# KiCad board rp2040_base.kicad_pcb (continued)
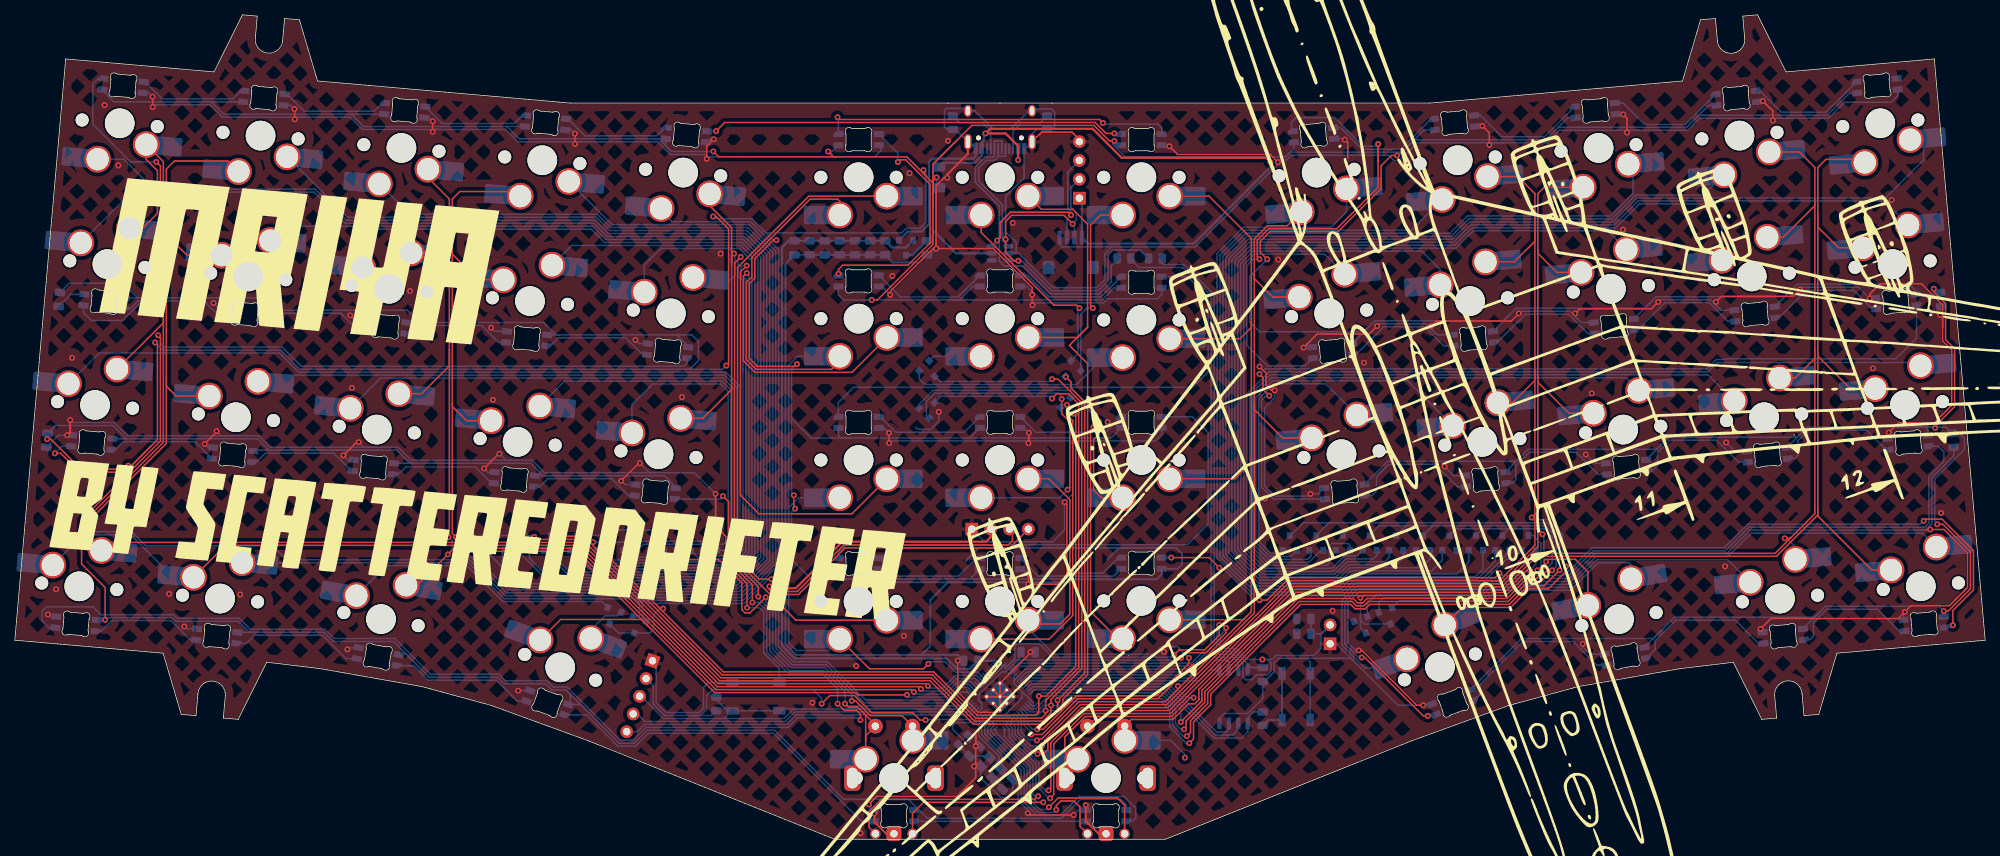
[diagram p0: board, top side]
## Routing (per net, layer and track width the routed paths; a pad name or vN(x,y) marks a point on that pad's centre or on a via; arc(x,y) is an arc through that point) (continued)
COL9: length 190.9
  Top w0.2: 204.78,43.89 204.78,39.61 200.01,34.84 171.88,34.84 155.18,18.14 143.54,18.14 138.76,13.36 138.76,12.89 138.46,12.59 v1(138.37,12.59) ; 204.78,43.89 204.78,63.21 ; 204.78,43.89 204.78,43.78 v1(204.35,43.35) ; K36.2 201.78,58.82 204.78,61.82 204.78,63.21 ; 204.78,84.56 204.78,86.99 202.47,89.3 K10.1 ; 204.78,84.56 204.78,80.58 202,77.8 K23.2 ; 204.78,84.56 204.78,63.21 ; v1(208.96,36.74) 208.96,36.11 206.59,33.74 204,33.74 201.5,31.24 195.02,31.24 K49.2
  Bottom w0.2: 195.98,31.28 K49.2 ; 208.5,37.89 208.5,37.2 v1(208.96,36.74) ; 208.5,37.89 208.5,37.16 208.86,36.8 ; 208.5,37.89 208.5,41.08 206.52,43.05 204.65,43.05 v1(204.35,43.35) ; U3.9 135.16,15.91 135.16,14.24 136.83,12.57 138.36,12.57 v1(138.37,12.59)
COL10: length 182.3
  Top w0.2: 140.85,14.87 140.39,14.41 ; 140.85,14.87 143.72,17.74 155.34,17.74 172.05,34.44 200.18,34.44 205.18,39.44 205.18,42.06 ; 140.85,14.87 139.71,13.73 ; v1(205.8,41.09) 205.18,41.71 205.18,42.06 ; 205.18,52.41 205.18,44.39 ; 205.18,52.41 205.18,62.37 ; 205.18,52.41 205.18,42.06 ; v1(137.77,11.49) 138.59,11.49 139.16,12.06 139.16,13.18 139.71,13.73 ; v1(206.29,37.42) 206.59,37.72 210.23,37.72 211.91,36.03 K50.1 ; 205.18,62.37 205.18,79.42 ; 205.18,62.37 205.18,61.59 209.37,57.4 K37.1 ; 139.71,13.73 140.08,14.1 ; 205.18,79.42 205.18,78.95 207.75,76.38 K24.1 ; 205.18,79.42 205.18,86.99 206.06,87.88 K11.2
  Bottom w0.2: U3.11 134.76,15.18 134.76,14.08 137.35,11.49 v1(137.77,11.49) ; v1(205.8,41.09) 205.99,40.9 205.99,37.72 v1(206.29,37.42)
COL11: length 208.1
  Top w0.2: K38.2 239.84,62.14 242.49,64.79 242.49,66.01 ; 242.49,86.24 242.49,90.53 240.4,92.62 K12.1 ; 242.49,86.24 242.49,66.01 ; 242.49,86.24 242.49,85.38 238.23,81.12 K25.2 ; 239.32,40.68 237.15,38.52 204.82,38.52 200.34,34.04 172.21,34.04 155.51,17.34 143.88,17.34 139.56,13.01 139.56,6.87 v1(139.26,6.57) ; 239.32,40.68 242.49,43.86 242.49,66.01 ; 239.32,40.68 239.18,40.55 v1(238.43,40.55)
  Bottom w0.2: v1(139.26,6.57) 139.15,6.46 138.94,6.46 137.96,7.45 137.96,10.31 134.36,13.91 134.36,15.01 U3.12 ; v1(238.43,40.55) 238.74,40.55 239.88,39.41 K51.2
COL12: length 221.9
  Top w0.2: 242.89,84.22 242.89,82.51 245.7,79.7 K26.1 ; 242.89,84.22 242.89,65.52 ; 242.89,84.22 242.89,90.53 243.98,91.62 248.8,91.62 K13.2 ; K52.1 250.16,36.29 242.89,43.56 242.89,44.45 ; v1(139.46,5.52) 139.96,6.02 139.96,12.85 144.05,16.94 155.68,16.94 172.38,33.64 200.51,33.64 204.99,38.12 237.32,38.12 242.89,43.69 242.89,44.45 ; 242.89,65.52 242.89,65.11 247.28,60.72 K39.1 ; 242.89,65.52 242.89,44.45
  Bottom w0.2: v1(139.46,5.52) 139.32,5.52 137.56,7.28 137.56,10.15 133.96,13.74 133.96,14.85 U3.13
LED_BACKLIGHT: length 34.7
  Bottom w0.2: 132.97,11.91 130.66,14.22 ; 132.97,11.91 132.82,12.05 ; 132.97,11.91 135.56,9.32 135.56,5.39 137.74,3.21 140.83,3.21 143.39,5.77 149.44,5.77 151.01,4.2 151.01,2.86 150.56,2.41 LED36.4 ; 130.66,14.22 131.07,13.81 ; 130.66,14.22 130.66,14.54 ; 130.66,14.22 130.66,14.54 ; 130.66,14.54 130.66,15.18 U3.18
LED_LEFT_OUT: length 56.9
  Top w0.2: v1(148.13,95.11) 147.02,95.11 145.54,96.59 95.64,96.59 v1(94.47,95.42)
  Bottom w0.2: v1(148.13,95.11) 148.21,95.03 LED23.4 ; v1(94.47,95.42) 93.27,95.42 LED5.2
LED_MIDDLE_OUT: length 131.6
  Top w0.2: v1(261.09,28.83) 261.09,30.81 263.86,33.58 263.86,38.9 259.62,43.14 257.4,43.14 v1(257.16,42.89) ; v1(162.26,36.59) 160.9,37.95 v1(155.8,37.95) ; v1(167.68,32.21) 168.69,32.21 171.72,35.24 199.42,35.24 v1(200.02,35.84)
  Bottom w0.2: v1(200.02,35.84) 200.32,35.54 208.75,35.54 212.48,39.27 230.26,39.27 233.44,42.45 254.69,42.45 ; LED32.2 155.35,37.95 155.35,37.95 v1(155.8,37.95) ; 254.69,42.45 255.58,42.45 ; 254.69,42.45 256.71,42.45 v1(257.16,42.89) ; v1(162.26,36.59) 162.68,36.59 167.06,32.21 v1(167.68,32.21) ; LED52.4 260.78,28.52 v1(261.09,28.83)
rot_1_l: length 32.2
  Top w0.2: v1(139.3,4.31) 140.55,5.55 148.56,5.55 149.51,4.6 SW3.A
  Bottom w0.2: 134.05,11.96 134.78,11.23 ; 134.05,11.96 135.64,10.37 ; 134.05,11.96 131.46,14.55 131.46,14.85 U3.16 ; 135.64,10.37 135.16,10.85 ; 135.64,10.37 136.36,9.65 136.36,5.72 138.07,4.01 139,4.01 v1(139.3,4.31)
rot_1_r: length 27.9
  Top w0.2: SW3.B 143.49,1.75 143.49,4.35 142.69,5.15 140.91,5.15 140.3,4.54 v1(140.3,3.97)
  Bottom w0.2: 133.33,12.11 133.5,11.94 132.73,12.71 ; 131.06,14.68 131.06,14.38 ; 131.06,14.68 131.06,14.38 ; 131.06,14.68 131.06,15.01 U3.17 ; 131.06,14.38 131.29,14.15 ; 131.06,14.38 132.73,12.71 ; v1(140.3,3.97) 140.3,3.86 140.05,3.61 137.9,3.61 135.96,5.55 135.96,9.48 132.73,12.71
rot_2_l: length 35
  Top w0.2: v1(138.55,4.96) 122.41,4.96 120.93,3.48 SW1.A
  Bottom w0.2: 136.76,9.53 136.76,5.88 137.68,4.96 v1(138.55,4.96) ; U3.15 132.12,14.46 136.76,9.82 136.76,8.64
rot_2_r: length 38.3
  Top w0.2: v1(137.85,5.79) 137.42,5.36 116.7,5.36 115.07,3.73 115.07,1.6 SW1.B
  Bottom w0.2: U3.14 133.3,13.84 137.16,9.98 137.16,6.05 137.42,5.79 v1(137.85,5.79)
ROW0: length 251.7
  Top w0.2: v1(140.48,18.73) 144.12,22.37 144.12,39.26 ; v1(140.48,18.73) 140.48,17.34 ; v1(140.48,18.73) 140.48,17.34 ; 132.26,15.51 129.13,15.51 123.28,21.36 94.94,21.36 75.9,40.4 70.31,40.4 v1(69.96,40.75) ; 132.26,15.51 138.64,15.51 140.11,16.97 ; 132.26,15.51 130.92,15.51 ; 140.48,17.34 140.11,16.97 ; 140.48,17.34 140.11,16.97 ; 144.12,58.87 144.12,39.26 ; 144.12,58.87 144.12,58.98 142.27,60.82 142.27,61.62 v1(141.58,62.32) ; 144.12,58.87 144.12,58.29 ; 144.12,39.26 144.12,38.88 ; v1(157.52,14.81) 157.77,15.07 157.77,15.92 160.3,18.46 160.3,19.87 172.88,32.44 180.29,32.44 180.89,31.84 181.57,31.84 182.17,32.44 201.01,32.44 203.51,34.94 204.8,34.94 v1(206.1,36.24)
  Bottom w0.2: 141.62,19.33 141.09,19.33 v1(140.48,18.73) ; 141.62,19.33 154.73,19.33 156.37,17.69 156.37,15.49 157.05,14.81 v1(157.52,14.81) ; 141.62,19.33 139.3,19.33 137.53,17.56 136.91,17.56 U3.3 ; 197.93,41.85 194.18,41.85 D7.3 ; 197.93,41.85 197.74,41.85 D6.3 ; 197.93,41.85 202.58,41.85 ; D5.3 201.3,41.85 202.58,41.85 ; D4.3 141.57,62.32 v1(141.58,62.32) ; D3.3 D1.3 69.78,40.93 v1(69.96,40.75) ; 202.58,41.85 206.03,41.85 207.11,40.77 207.11,37.25 v1(206.1,36.24)
ROW1: length 275.2
  Top w0.2: 143.72,29.04 143.72,22.96 139.6,18.84 v1(139.6,18.04) 139.56,18 139.56,16.99 138.48,15.91 129.3,15.91 123.45,21.76 95.11,21.76 76.07,40.8 73.79,40.8 v1(73.31,41.28) ; 143.72,29.04 143.72,30.84 ; 143.72,29.04 143.72,58.81 140.54,61.99 v1(139.73,61.99) ; v1(157.9,13.88) 158.39,14.38 158.39,15.97 160.7,18.29 160.7,19.7 173.04,32.04 180.12,32.04 180.72,31.44 181.74,31.44 182.34,32.04 201.17,32.04 203.67,34.54 205.4,34.54 v1(207.1,36.24)
  Bottom w0.2: D13.3 187.42,42.25 187.87,42.25 ; D12.3 182.52,40.98 183.79,42.25 187.87,42.25 ; v1(207.1,36.24) 207.65,36.79 207.65,40.79 206.19,42.25 191.58,42.25 ; 191.58,42.25 191.02,42.25 D14.3 ; 191.58,42.25 187.87,42.25 ; v1(73.31,41.28) 72.96,40.93 D8.3 D10.3 ; U3.4 136.74,17.16 137.69,17.16 138.57,18.04 v1(139.6,18.04) 139.61,18.03 140.86,18.03 141.77,18.93 154.57,18.93 155.97,17.53 155.97,15.32 157.41,13.88 v1(157.9,13.88) ; v1(139.73,61.99) 139.43,61.69 124.6,61.69 D11.3
ROW2: length 291.3
  Top w0.2: v1(208.1,36.24) 206,34.14 203.84,34.14 201.34,31.64 182.5,31.64 181.9,31.04 180.56,31.04 179.96,31.64 173.21,31.64 161.1,19.54 161.1,18.12 158.79,15.81 158.79,13.51 v1(158.22,12.94) ; v1(139.72,59.39) 140.35,60.02 141.94,60.02 143.32,58.65 143.32,23.12 138.86,18.67 v1(138.86,17.34) 138.86,16.86 138.31,16.31 129.46,16.31 123.62,22.16 95.28,22.16 77.89,39.54 v1(77.89,40.03)
  Bottom w0.2: D20.3 177.05,42.65 177.37,42.65 ; 177.37,42.65 173.59,42.65 171.87,40.93 D19.3 ; 177.37,42.65 181.09,42.65 ; v1(77.89,40.03) 82.02,40.03 D17.3 83.71,40.14 88.91,40.14 ; 181.09,42.65 180.63,42.65 D21.3 ; 181.09,42.65 206.36,42.65 208.1,40.91 v1(208.1,36.24) ; v1(158.22,12.94) 157.79,12.94 155.57,15.16 155.57,17.36 154.4,18.53 141.93,18.53 140.74,17.34 v1(138.86,17.34) 138.44,17.34 137.86,16.76 136.58,16.76 U3.5 ; D16.3 93.69,40.88 92.95,40.14 88.91,40.14 ; v1(139.72,59.39) 139.42,59.69 124.77,59.69 D18.3 ; 88.91,40.14 89.31,40.14 D15.3
ROW3: length 232.1
  Top w0.2: 159.9,18.93 159.9,18.62 ; 159.9,18.93 159.9,20.03 172.71,32.84 183.93,32.84 ; 159.9,18.93 159.9,18.62 ; 159.9,18.62 159.67,18.39 ; 159.9,18.62 157.07,15.79 v1(157.07,15.78) ; v1(205.1,36.24) 204.2,35.34 203.34,35.34 200.84,32.84 183.93,32.84 ; v1(87.34,31.08) 86.92,31.08 86.49,31.51 ; v1(80.46,40.73) 80.46,37.54 86.49,31.51 ; v1(142.62,57.35) 142.92,57.05 142.92,23.29 138.9,19.27 v1(137.94,19.27) 137.94,17.13 137.52,16.71 129.63,16.71 123.78,22.56 95.44,22.56 86.49,31.51 ; 183.93,32.84 181.58,32.84 v1(181.28,32.54)
  Bottom w0.2: v1(142.62,57.35) 142.69,57.42 D25.3 ; v1(205.1,36.24) 205.59,36.73 205.59,39.88 204.54,40.93 D26.3 203.72,41.15 203.7,41.15 ; D24.3 85.76,41.68 81.41,41.68 v1(80.46,40.73) ; D28.3 181.28,28.5 181.28,30.13 ; U3.2 137.07,17.96 137.36,17.96 137.94,18.53 v1(137.94,19.27) 138.4,19.73 154.9,19.73 157.07,17.56 v1(157.07,15.78) ; v1(181.28,32.54) 181.28,30.13 ; 181.28,30.13 181.28,29.57 181.85,29 D27.3 ; D23.3 81.33,27.79 D22.3 85.58,27.79 86.05,28.26 86.05,30.23 86.9,31.08 v1(87.34,31.08)
SCL: length 75.2
  Top w0.2: pinout_cirque1.3 134.4,41.39 134.4,40.21 133.84,39.65 111.68,39.65 105.4,33.38 102.92,33.38 v1(102.59,33.71)
  Bottom w0.2: v1(102.59,33.71) 102.89,33.41 102.89,30.74 ; 102.89,30.74 102.89,31.5 ; 102.89,30.74 102.89,25.92 104.89,23.92 109.47,23.92 114.63,18.76 116.39,18.76 ; 116.39,18.76 118.14,18.76 125.67,18.76 127.37,20.46 128.35,20.46 U3.30 ; 116.39,18.76 116,18.76
SDA: length 78.7
  Top w0.2: v1(101.66,34.08) 101.66,33.65 102.33,32.98 105.57,32.98 111.84,39.25 134,39.25 pinout_cirque1.4
  Bottom w0.2: v1(101.66,34.08) 101.66,33.65 102.49,32.82 102.49,30.18 ; 102.49,30.18 102.49,25.75 104.73,23.52 109.3,23.52 114.47,18.36 116.56,18.36 125.83,18.36 127.28,19.8 U3.29 ; 102.49,30.18 102.49,31.38
Net-(C3-Pad1): length 4.8
  Bottom w0.2: Y0.1 131.14,11.21 C3.1 127.2,12.6 R5.2
Net-(D1-A-Pad1): length 173.8
  Bottom w0.2: D1.1 69.32,38.67 69.32,37.86 71.95,35.22 84.74,35.22 86.18,33.78 97.42,33.78 101.29,37.66 101.29,78.77 99.61,80.46 ; K1.2 14.67,91.64 18.71,87.6 40.47,87.6 44.66,83.41 78.16,83.41 79.95,81.62 98.45,81.62 99.61,80.46 ; 99.61,80.46 100.15,79.92
Net-(D1-A-Pad2): length 150.5
  Bottom w0.2: 99.84,80.79 101.69,78.94 101.69,37.49 97.58,33.38 86.02,33.38 84.58,34.82 71.79,34.82 D1.2 ; 99.84,80.79 100.31,80.32 ; 99.84,80.79 98.61,82.02 80.11,82.02 78.32,83.81 44.82,83.81 K2.1
Net-(D2-A-Pad1): length 143.8
  Bottom w0.2: 100.6,80.59 98.78,82.42 81.54,82.42 ; 100.6,80.59 102.09,79.1 102.09,37.33 97.75,32.98 85.85,32.98 84.41,34.42 68.48,34.42 65.69,37.21 65.69,38.62 D2.1 ; 100.6,80.59 101.79,79.41 ; 81.54,82.42 83.28,82.42 ; 81.54,82.42 80.28,82.42 78.49,84.21 53.21,84.21 K3.2
Net-(D2-A-Pad2): length 117.2
  Bottom w0.2: D2.2 64.1,38.23 68.31,34.02 84.25,34.02 85.69,32.58 97.91,32.58 102.49,37.16 102.49,79.27 98.94,82.82 80.45,82.82 K4.1
Net-(D3-A-Pad1): length 107
  Bottom w0.2: K5.2 87.06,84.7 88.54,83.22 99.11,83.22 102.89,79.44 102.89,36.99 98.08,32.18 85.52,32.18 84.08,33.62 66.44,33.62 62.11,37.95 62.11,38.61 D3.1
Net-(D3-A-Pad2): length 117.2
  Top w0.2: 97.36,40.72 97.36,37.95 100.27,35.04 v1(101.93,35.04) ; 97.36,40.72 97.36,38.17 ; 97.36,40.72 97.36,77.05 106.97,86.66 K6.1
  Bottom w0.2: v1(101.93,35.04) 101.5,35.04 98.25,31.78 85.35,31.78 83.91,33.22 66.24,33.22 D3.2
Net-(D4-A-Pad1): length 27.4
  Top w0.2: v1(143.42,71.57) 143.02,71.97 139.98,71.97 130.18,81.77 K7.2
  Bottom w0.2: v1(143.42,71.57) 143.21,71.36 143.21,65.4 D4.1
Net-(D4-A-Pad2): length 25.8
  Top w0.2: v1(145.22,71.57) 144.92,71.87 144.92,82.77 146.27,84.12 K8.2
  Bottom w0.2: D4.2 143.61,70.77 144.41,71.57 v1(145.22,71.57)
Net-(D5-A-Pad1): length 109
  Bottom w0.2: D5.1 201.33,38.7 197.17,34.54 180.59,34.54 178.96,32.91 166.93,32.91 161.96,37.88 161.96,74.78 ; 161.96,74.78 161.96,78.92 165.49,82.45 177.31,82.45 179.4,84.54 K9.1 ; 161.96,74.78 161.96,75.06 161.96,74.35
Net-(D5-A-Pad2): length 117.5
  Bottom w0.2: D5.2 199.43,37.48 196.92,34.98 180.47,34.98 178.8,33.31 167.1,33.31 162.36,38.05 162.36,44.9 ; 162.36,44.9 162.36,43.29 ; 162.36,44.9 162.36,78.75 165.66,82.05 188.13,82.05 K10.2
Net-(D6-A-Pad1): length 143.8
  Bottom w0.2: K11.1 218,90.33 218,87.01 214.97,83.99 195.66,83.99 193.33,81.65 165.82,81.65 162.76,78.59 162.76,38.21 167.26,33.71 178.63,33.71 180.3,35.38 196.76,35.38 197.77,36.39 D6.1
Net-(D6-A-Pad2): length 149.5
  Bottom w0.2: K12.2 227.52,86.81 218.36,86.81 215.14,83.59 195.83,83.59 193.49,81.25 191.07,81.25 ; 191.07,81.25 165.99,81.25 163.16,78.42 163.16,38.38 167.43,34.11 178.47,34.11 180.14,35.78 194.34,35.78 195.87,37.31 D6.2 ; 191.07,81.25 191.4,81.25
Net-(D7-A-Pad2): length 175.4
  Bottom w0.2: K13.1 257.15,91.55 252.01,86.41 218.53,86.41 215.3,83.19 195.99,83.19 193.66,80.85 166.16,80.85 163.56,78.26 163.56,44.67 ; 163.56,44.67 163.56,38.55 167.59,34.51 178.3,34.51 179.97,36.18 190.88,36.18 192.31,37.61 D7.2 ; 163.56,44.67 163.56,44.04
Net-(D8-A-Pad1): length 141.2
  Bottom w0.2: 98.22,80.71 98.62,80.32 ; 98.22,80.71 98.11,80.82 79.62,80.82 77.83,82.61 36.35,82.61 K15.2 ; 98.22,80.71 100.49,78.44 100.49,37.99 97.09,34.58 86.51,34.58 85.07,36.02 74.72,36.02 72.85,37.9 72.85,38.63 D8.1
Net-(D8-A-Pad2): length 173
  Bottom w0.2: K14.1 15.73,87.2 40.3,87.2 44.49,83.01 77.99,83.01 79.78,81.22 98.28,81.22 98.61,80.89 ; D8.2 74.56,35.62 84.91,35.62 86.35,34.18 97.25,34.18 100.89,37.82 100.89,78.61 98.61,80.89 ; 98.61,80.89 99.09,80.41
Net-(D9-A-Pad1): length 95.9
  Bottom w0.2: K17.2 75.03,80.02 82.81,80.02 96.94,80.02 ; D9.1 76.44,38.65 76.44,37.88 77.49,36.82 85.41,36.82 86.85,35.38 96.75,35.38 99.69,38.32 99.69,78.11 97.78,80.02 96.94,80.02 ; 96.94,80.02 97.17,80.02
Net-(D9-A-Pad2): length 127.5
  Bottom w0.2: D9.2 77.33,36.42 85.24,36.42 86.68,34.98 96.92,34.98 100.09,38.15 100.09,78.28 97.95,80.42 ; 97.95,80.42 98.13,80.24 ; 97.95,80.42 79.45,80.42 77.66,82.21 48.8,82.21 46.85,80.26 K16.1
Net-(D10-A-Pad1): length 93.1
  Top w0.2: K19.1 112.79,62.92 99.7,62.92 98.16,64.46 98.16,75.86 v1(98.59,76.29)
  Bottom w0.2: v1(98.59,76.29) 98.89,75.99 98.89,38.65 96.42,36.18 87.18,36.18 85.74,37.62 80.62,37.62 80.15,38.1 80.15,38.79 D10.1
Net-(D10-A-Pad2): length 83.6
  Bottom w0.2: 95.49,79.62 97.62,79.62 99.29,77.94 99.29,38.49 96.59,35.78 87.01,35.78 85.57,37.22 80.46,37.22 78.75,38.93 D10.2 ; 95.49,79.62 96.54,79.62 ; 95.49,79.62 87.04,79.62 84.8,77.38 K18.1
Net-(D11-A-Pad1): length 28.5
  Bottom w0.2: K21.2 146.64,64.9 143.03,61.29 122.62,61.29 121.83,62.08 D11.1
Net-(D11-A-Pad2): length 3.7
  Bottom w0.2: K20.2 123.78,65.07 D11.2
Net-(D12-A-Pad1): length 90.2
  Bottom w0.2: K23.1 192.02,76.77 189.53,79.25 166.82,79.25 165.16,77.6 165.16,39.21 168.26,36.11 177.64,36.11 179.31,37.78 183,37.78 183.47,38.25 D12.1
Net-(D12-A-Pad2): length 72.6
  Bottom w0.2: D12.2 180.82,38.18 179.14,38.18 177.47,36.51 168.42,36.51 165.56,39.37 165.56,47.69 ; 174.09,78.85 166.98,78.85 165.56,77.43 165.56,47.69 ; 174.09,78.85 173.32,78.85 ; 174.09,78.85 176.44,78.85 K22.2 ; 165.56,47.69 165.56,47.38
Net-(D13-A-Pad1): length 142.7
  Bottom w0.2: D13.1 187.05,37.94 186.09,36.98 179.64,36.98 177.97,35.31 174.88,35.31 ; 174.88,35.31 167.92,35.31 164.36,38.88 164.36,77.93 166.49,80.05 190.11,80.05 ; 174.88,35.31 173.17,35.31 ; K25.1 229.98,83.72 228.09,85.61 218.86,85.61 215.64,82.39 196.32,82.39 193.99,80.05 190.11,80.05 ; 190.11,80.05 189.73,80.05
Net-(D13-A-Pad2): length 118.7
  Bottom w0.2: D13.2 185.15,37.99 184.54,37.38 179.47,37.38 177.8,35.71 168.09,35.71 164.76,39.04 164.76,47.02 ; 164.76,47.02 164.76,77.76 166.65,79.65 194.16,79.65 196.49,81.99 214.58,81.99 K24.2 ; 164.76,47.02 164.76,45.79
Net-(D14-A-Pad1): length 168.6
  Bottom w0.2: 189.8,80.45 171.36,80.45 ; 189.8,80.45 193.83,80.45 196.16,82.79 215.47,82.79 218.69,86.01 251.83,86.01 K26.2 ; 189.8,80.45 189.09,80.45 ; 163.96,45.24 163.96,44.46 ; 163.96,45.24 163.96,78.09 166.32,80.45 171.36,80.45 ; 163.96,45.24 163.96,38.71 167.76,34.91 178.14,34.91 179.81,36.58 189.48,36.58 190.65,37.75 D14.1 ; 169.98,80.45 171.36,80.45
Net-(D15-A-Pad1): length 94.5
  Bottom w0.2: D15.1 92.2,37.78 95.76,37.78 97.29,39.31 97.29,60.85 95.6,62.54 33.59,62.54 K28.2
Net-(D15-A-Pad2): length 125.8
  Bottom w0.2: K27.1 11.37,65.52 35.66,65.52 38.24,62.94 95.77,62.94 97.69,61.02 97.69,39.15 95.93,37.38 90.7,37.38 D15.2
Net-(D16-A-Pad1): length 50.7
  Bottom w0.2: D16.1 95.78,38.93 96.49,39.65 96.49,60.52 95.27,61.74 74.07,61.74 K30.2
Net-(D16-A-Pad2): length 81
  Bottom w0.2: 96.33,61.25 96.89,60.68 ; 96.33,61.25 96.89,60.68 ; 96.33,61.25 95.44,62.14 49.26,62.14 K29.1 ; 96.89,60.68 96.89,39.48 95.59,38.18 93.49,38.18 D16.2
Net-(D17-A-Pad1): length 51.1
  Bottom w0.2: K31.1 83.14,58.56 85.92,61.34 95.1,61.34 96.09,60.35 96.09,40.42 95.42,39.74 84.68,39.74 D17.1
Net-(D17-A-Pad2): length 112.1
  Top w0.2: v1(98.59,77.29) 97.76,76.46 97.76,46.35 100.26,43.85 112.77,43.85 K32.1
  Bottom w0.2: v1(98.59,77.29) 98.01,77.29 97.82,77.1 97.82,76.08 98.49,75.41 98.49,63.43 ; 98.49,63.43 98.49,63.16 ; 98.49,63.43 98.49,38.82 96.26,36.58 87.34,36.58 85.9,38.02 82.88,38.02 D17.2
Net-(D18-A-Pad1): length 46.5
  Top w0.2: v1(141.82,47.1) 142.12,47.4 142.12,56.23 141.03,57.32 v1(141.03,59.32)
  Bottom w0.2: K33.2 140.74,46.02 v1(141.82,47.1) ; D18.1 123.12,56.75 122.8,57.07 122.81,57.08 122.81,59.02 123.88,60.09 140.62,60.09 141.03,59.67 v1(141.03,59.32)
Net-(D18-A-Pad2): length 41.5
  Top w0.2: v1(146.05,56.23) 146.05,54.55 145.32,53.82 145.32,47.07 146.37,46.02 K34.2
  Bottom w0.2: D18.2 121.83,58.61 123.71,60.49 142.58,60.49 145.74,57.33 145.74,56.54 v1(146.05,56.23)
Net-(D19-A-Pad1): length 56.1
  Bottom w0.2: D19.1 171.9,38.11 169.08,38.11 167.16,40.04 167.16,59.48 169.46,61.78 187.64,61.78 K36.1
Net-(D19-A-Pad2): length 39.1
  Bottom w0.2: D19.2 170.42,38.53 170.42,38.51 169.25,38.51 167.56,40.2 167.56,59.32 169.62,61.38 176.59,61.38 K35.2
Net-(D20-A-Pad1): length 100.1
  Bottom w0.2: 166.36,48.5 166.36,59.81 169.13,62.58 228.11,62.58 K38.1 ; 166.36,48.5 166.36,48.01 ; 166.36,48.5 166.36,39.7 168.75,37.31 174.33,37.31 175.95,38.93 D20.1
Net-(D20-A-Pad2): length 83.8
  Bottom w0.2: 166.76,50.51 166.76,50.02 ; 166.76,50.51 166.76,59.65 169.29,62.18 217.07,62.18 K37.2 ; 166.76,50.51 166.76,39.87 168.92,37.71 174.17,37.71 174.61,38.15 174.61,38.7 D20.2
Net-(D21-A-Pad1): length 131.9
  Bottom w0.2: 165.96,47.75 165.96,39.54 168.59,36.91 176.72,36.91 177.1,37.29 177.1,39.52 177.43,39.85 179.59,39.85 179.86,39.58 D21.1 ; 165.96,47.75 165.96,59.98 168.96,62.98 228.12,62.98 229.38,64.24 256.28,64.24 K39.2 ; 165.96,47.75 165.96,47.65 ; 174.01,36.91 174.35,36.91
Net-(D22-A-Pad1): length 58.4
  Bottom w0.2: D22.1 83.93,30 84.17,30.23 84.17,31.84 83.58,32.42 65.91,32.42 61.06,37.27 K41.2
Net-(D22-A-Pad2): length 89
  Bottom w0.2: 61.91,36.99 61.23,37.66 ; 61.91,36.99 66.07,32.82 83.75,32.82 84.57,32 84.57,29.82 D22.2 ; 61.91,36.99 61.22,37.67 36.6,37.67 34.75,39.52 17.66,39.52 15.75,41.44 9.6,41.44 K40.1
Net-(D23-A-Pad1): length 37.9
  Bottom w0.2: K42.1 50.06,36.87 60.89,36.87 65.74,32.02 79.09,32.02 D23.1
Net-(D23-A-Pad2): length 6.2
  Bottom w0.2: D23.2 81.22,30.12 79.52,30.12 77.6,28.2 K43.2
Net-(D24-A-Pad1): length 52.2
  Top w0.2: v1(112.75,18.66) 113.26,18.66 115.28,16.64 119.53,16.64 SW1.S2 ; v1(101.15,32.6) 99.05,30.51 98.35,30.51 97.94,30.92 97.94,34.54 94.8,37.68 v1(88.37,37.68)
  Bottom w0.2: 101.15,32.49 101.15,32.07 101.38,31.83 ; v1(88.37,37.68) 87.46,38.59 D24.1 ; 101.38,31.83 101.15,32.06 v1(101.15,32.6) ; 101.38,31.83 102.09,31.12 102.09,25.59 104.56,23.12 109.14,23.12 112.75,19.5 v1(112.75,18.66)
Net-(D24-A-Pad2): length 119.7
  Top w0.2: v1(97.78,78.46) 96.96,77.64 96.96,37.79 105.23,29.51 K45.1
  Bottom w0.2: 98.09,73.82 98.09,63.42 ; 98.09,73.82 98.09,74.01 ; 98.09,73.82 98.09,75.24 97.42,75.92 97.42,78.1 v1(97.78,78.46) ; 98.09,63.42 98.09,62.94 ; 98.09,63.42 98.09,38.98 96.09,36.98 87.51,36.98 D24.2
Net-(D25-A-Pad1): length 43.4
  Top w0.2: K46.2 139.34,26.97 142.52,30.15 142.52,56.4 141.73,57.18 v1(141.73,58.55)
  Bottom w0.2: D25.1 141.24,58.55 v1(141.73,58.55)
Net-(D25-A-Pad2): length 36.6
  Top w0.2: v1(145.32,55.54) 144.92,55.13 144.92,30.67 148.55,27.04 K47.2
  Bottom w0.2: D25.2 142.24,59.56 142.94,59.56 145.32,57.18 v1(145.32,55.54)
Net-(D26-A-Pad1): length 75
  Top w0.2: 159.5,18.79 159.5,18.92 ; 159.5,18.79 158.97,18.25 158.12,18.25 156.01,16.14 150.41,16.14 SW3.S2 ; 159.5,18.79 159.5,18.92 ; 159.5,18.92 159.5,20.2 172.54,33.24 200.68,33.24 203.67,36.24 v1(204.1,36.24)
  Bottom w0.2: D26.1 204.89,37.03 v1(204.1,36.24) ; v1(157.63,10.98) 157.63,11.41 155.72,13.32 K48.2 ; SW3.S2 149.51,13.36 K48.2
Net-(D26-A-Pad2): length 39.7
  Bottom w0.2: K49.1 181.85,23.09 178.78,26.16 178.78,32.16 180.76,34.14 197.33,34.14 200.96,37.76 201.82,37.76 D26.2
Net-(D27-A-Pad1): length 55
  Bottom w0.2: K51.1 230.73,37.67 213.14,37.67 209.41,33.94 199.4,33.94 198,32.54 184.41,32.54 183.75,31.89 D27.1
Net-(D27-A-Pad2): length 36.7
  Bottom w0.2: K50.2 217.73,36.95 217.41,37.27 213.31,37.27 209.58,33.54 199.56,33.54 198.16,32.14 186.47,32.14 D27.2
Net-(D28-A-Pad2): length 83.1
  Bottom w0.2: D28.2 182.2,31.75 183.39,32.94 197.83,32.94 199.23,34.34 209.25,34.34 212.98,38.07 230.76,38.07 233.94,41.25 256.98,41.25 K52.2
Net-(J0-CC1): length 8.3
  Bottom w0.2: J0.A5 131.46,95.46 130.37,96.55 127.28,96.55 R7.1
Net-(J0-CC2): length 7.8
  Bottom w0.2: R6.1 138.13,96.53 135.56,96.53 134.46,95.43 J0.B5
Net-(LED1-DIN): length 50
  Top w0.2: v1(19.16,71.85) 19.61,72.3 19.61,90.71 v1(19.05,91.27)
  Bottom w0.2: v1(19.05,91.27) 15.61,91.27 10.5,96.38 10.5,101.79 11.23,102.52 LED1.4 ; LED6.2 9.24,70.97 10.3,69.91 14.52,69.91 16.76,72.15 18.86,72.15 v1(19.16,71.85)
Net-(LED1-DOUT): length 14.9
  Bottom w0.2: LED1.2 17.56,102.05 19.84,99.77 29.37,99.77 30.46,100.86 LED2.4
Net-(LED2-DOUT): length 14.9
  Bottom w0.2: LED2.2 36.68,100.39 38.96,98.11 48.4,98.11 49.49,99.2 LED3.4
Net-(LED3-DOUT): length 14.9
  Bottom w0.2: LED3.2 57.58,96.45 67.26,96.45 68.35,97.54 LED4.4
Net-(LED4-DOUT): length 14.9
  Bottom w0.2: LED4.2 74.51,97.07 76.79,94.79 86.48,94.79 87.57,95.88 LED5.4
Net-(LED6-DIN): length 14.9
  Bottom w0.2: LED6.4 15.5,71.46 16.6,72.55 25.47,72.55 27.75,70.27 LED7.2
Net-(LED7-DIN): length 14.9
  Bottom w0.2: LED7.4 34.16,69.79 35.26,70.89 43.9,70.89 46.18,68.61 LED8.2
Net-(LED8-DIN): length 14.9
  Bottom w0.2: LED9.2 65.16,66.95 62.88,69.23 54.33,69.23 53.23,68.13 LED8.4
Net-(LED10-DIN): length 108.6
  Top w0.2: v1(5.39,52) 6.2,52 8.74,49.46 15.41,49.46 19.61,53.66 19.61,67.61 v1(19.31,67.91)
  Bottom w0.2: v1(19.31,67.91) 19.63,67.59 19.63,66.79 20.1,66.32 35.99,66.32 38.57,63.74 90.11,63.74 90.58,64.21 LED10.4 90.62,64.81 90.84,64.59 ; v1(5.39,52) 6.34,52.95 LED11.2
Net-(LED10-DOUT): length 14.9
  Bottom w0.2: LED10.2 84.6,65.29 82.32,67.57 73.24,67.57 72.14,66.47 LED9.4
Net-(LED11-DIN): length 14.9
  Bottom w0.2: LED11.4 13.51,52.48 14.6,53.57 24.28,53.57 LED12.2
Net-(LED12-DIN): length 15
  Bottom w0.2: LED13.2 45.36,49.63 42.97,52.02 33.76,52.02 32.56,50.82 LED12.4
Net-(LED13-DIN): length 14.9
  Bottom w0.2: LED14.2 64.23,47.97 62.04,50.16 52.67,50.16 51.66,49.16 LED13.4
Net-(LED14-DIN): length 14.9
  Bottom w0.2: LED15.2 82.68,46.31 80.4,48.59 71.82,48.59 70.72,47.5 LED14.4
Net-(LED15-DIN): length 173.2
  Top w0.2: v1(110.84,18.26) 111.74,17.36 113.43,17.36 113.92,16.87 v1(113.92,16.06) ; 96.16,38.46 96.16,37.68 ; 96.16,38.46 96.16,37.45 99.36,34.25 v1(99.36,31.91) ; 96.16,38.46 96.16,45.47 v1(95.39,46.23)
  Bottom w0.2: v1(99.36,31.91) 100.18,31.91 101.29,30.79 101.29,25.25 104.23,22.32 108.81,22.32 110.84,20.29 v1(110.84,18.26) ; 111.49,16.36 105.43,16.36 104.14,15.07 85.01,15.07 83.28,13.34 81.57,13.34 74.4,20.51 72.51,20.51 71.68,21.35 66.09,21.35 65.21,22.23 55.99,22.23 51.17,27.06 43.01,27.06 41.79,28.28 31.72,28.28 30.24,29.76 21.87,29.76 21.37,30.26 11.82,30.26 ; 111.49,16.36 113.62,16.36 v1(113.92,16.06) ; 111.49,16.36 111.94,16.36 ; LED15.4 95,45.84 v1(95.39,46.23) ; LED19.2 4.58,28.51 3.68,29.41 3.68,30.72 4.27,31.31 10.53,31.31 11.58,30.26 11.82,30.26 ; 11.82,30.26 12.38,30.26
Net-(LED16-DIN): length 49
  Bottom w0.2: LED20.2 114.06,2.41 102.2,14.27 85.34,14.27 83.61,12.54 81.24,12.54 77.03,16.75 LED16.4
Net-(LED16-DOUT): length 19.5
  Bottom w0.2: LED17.4 53.7,23.39 55.66,21.43 64.87,21.43 67.69,18.61 LED16.2
Net-(LED17-DOUT): length 18
  Bottom w0.2: LED17.2 44.6,24.34 41.46,27.48 32.29,27.48 31.19,26.39 LED18.4
Net-(LED18-DOUT): length 15.2
  Bottom w0.2: LED18.2 23.64,26.86 21.04,29.46 13.05,29.46 11.62,28.03 LED19.4
Net-(LED20-DIN): length 23.1
  Bottom w0.2: LED36.2 LED20.4
Net-(LED21-DIN): length 47.4
  Top w0.2: v1(146.61,96.52) 146.13,96.99 111.13,96.99 v1(110.83,97.29)
  Bottom w0.2: v1(146.61,96.52) 146.75,96.37 153.98,96.37 154.49,95.86 LED23.2 ; LED21.4 110.94,97.18 v1(110.83,97.29)
Net-(LED21-DOUT): length 33.2
  Top w0.2: v1(110.96,76.2) 110.96,76.78 111.53,77.35 120.31,77.35 123.29,80.33 123.29,88.27 120,91.56 119.23,91.56 119.23,91.53 v1(118.96,91.26)
  Bottom w0.2: v1(118.96,91.26) 118.96,92.47 LED21.2 ; v1(110.96,76.2) 110.96,76 LED24.4
Net-(LED24-DOUT): length 16
  Bottom w0.2: 129.99,75.98 127.08,73.07 119.3,73.07 LED24.2
Net-(LED25-DOUT): length 15.9
  Bottom w0.22: LED25.2 136.43,75.98 139.33,73.08 146.31,73.08 LED26.4
Net-(LED26-DOUT): length 70.9
  Bottom w0.2: LED27.4 110.94,58.86 112.98,60.89 158.67,60.89 160.76,62.98 160.76,73.05 158,75.81 LED26.2
Net-(LED27-DOUT): length 15.3
  Bottom w0.2: LED27.2 116.59,56.93 118.67,54.85 127.91,54.85 129.99,56.93
Net-(LED28-DOUT): length 15.3
  Bottom w0.2: LED29.4 146.95,54.84 137.53,54.84 LED28.2
Net-(LED29-DOUT): length 71.6
  Bottom w0.2: LED30.4 110.94,38.67 111.97,39.69 157.96,39.69 160.76,42.49 160.76,54.77 158.6,56.93 LED29.2
Net-(LED30-DOUT): length 15.6
  Bottom w0.2: LED30.2 118.81,35.46 127.11,35.46 129.53,37.88 129.99,37.88
Net-(LED31-DOUT): length 15.6
  Bottom w0.2: LED31.2 137.86,35.46 141.78,35.46 142.18,35.86 146.57,35.86 148.67,37.95 LED32.4
Net-(LED33-DIN): length 68.2
  Top w0.2: 183.66,91.37 183.66,87.84 178.09,82.27 168.91,82.27 167.38,80.74 167.38,78.45 v1(167.68,78.16) ; 183.66,91.37 183.66,93.56 ; 183.66,91.37 183.67,91.38 v1(183.67,93.68)
  Bottom w0.2: v1(167.68,78.16) 166.85,78.16 165.96,77.26 165.96,66.56 168.73,63.78 173.83,63.78 LED34.2 ; v1(183.67,93.68) 183.37,93.38 181.66,93.38 177.8,97.24 172.59,97.24 171.99,96.64 171.99,95.58 LED33.4
Net-(LED33-DOUT): length 16.5
  Bottom w0.2: LED37.4 190.79,97.07 186.7,92.98 181.5,92.98 178.6,95.88 LED33.2
Net-(LED34-DIN): length 16.2
  Bottom w0.2: LED38.2 192.51,66.47 189.93,69.06 184.42,69.06 180.65,65.29 LED34.4
Net-(LED35-DIN): length 17.7
  Bottom w0.2: LED35.4 182.85,46.31 183.43,46.89 183.43,48.85 185.1,50.52 191.33,50.52 194.35,47.5 LED39.2
Net-(LED35-DOUT): length 121.5
  Top w0.2: v1(167.68,62.69) 168.15,62.22 168.15,60.63 v1(169,59.77)
  Bottom w0.2: v1(167.68,62.69) 168.37,63.38 227.95,63.38 229.21,64.64 230.43,64.64 230.53,64.75 253.41,64.75 254.71,66.06 ; v1(169,59.77) 168.58,59.77 167.96,59.15 167.96,47.43 169.55,45.84 LED35.2 ; 254.71,66.06 255.34,66.68 255.34,66.72 ; 254.71,66.06 256.19,67.54 LED50.4
Net-(LED37-DOUT): length 16.4
  Bottom w0.2: LED41.4 206.07,94.66 200.32,94.66 197.44,97.54 LED37.2
Net-(LED38-DIN): length 16.2
  Bottom w0.2: LED38.4 199.7,66.95 203.51,70.75 209.32,70.75 211.93,68.13 LED42.2
Net-(LED39-DIN): length 17.6
  Bottom w0.2: LED39.4 201.73,47.97 202.2,48.44 202.2,50.31 204.03,52.14 210.35,52.14 213.33,49.16 LED43.2
Net-(LED40-DIN): length 23.3
  Bottom w0.2: LED40.4 197.4,19.53 197.4,20.88 203.16,26.64 209.95,26.64 213.14,23.45 LED44.2
Net-(LED40-DOUT): length 118.4
  Top w0.2: v1(190.35,16.62) 189.73,16.62 181.87,24.49 v1(181.44,24.49)
  Bottom w0.2: v1(190.35,16.62) 191.24,16.62 LED40.2 ; 179.88,25.62 180.28,25.23 ; 179.88,25.62 179.18,26.33 179.18,31.99 180.92,33.74 197.5,33.74 198.9,35.14 208.92,35.14 212.65,38.87 230.43,38.87 233.61,42.05 257.3,42.05 257.86,42.6 257.86,48.88 259.87,50.89 259.87,52.21 259.13,52.95 LED51.4 ; 179.88,25.62 181.02,24.49 v1(181.44,24.49)
Net-(LED41-DOUT): length 16.4
  Bottom w0.2: LED41.2 216.68,99.2 219.55,96.33 225.05,96.33 LED45.4
Net-(LED42-DIN): length 16.1
  Bottom w0.2: LED46.2 230.78,69.79 228.28,72.3 222.29,72.3 218.59,68.61 LED42.4
Net-(LED43-DIN): length 17.5
  Bottom w0.2: LED47.2 232.2,50.82 229.26,53.76 222.97,53.76 221.3,52.09 221.3,50.38 220.55,49.63 LED43.4
Net-(LED44-DIN): length 19.9
  Bottom w0.2: LED44.4 220.97,25.56 220.99,25.56 220.99,26.75 223.76,29.52 231.78,29.52 234.91,26.39 LED48.2
Net-(LED45-DOUT): length 16.4
  Bottom w0.2: LED45.2 235.09,100.86 236.19,99.76 236.19,99.75 237.98,97.96 244,97.96 LED49.4
Net-(LED46-DIN): length 16.1
  Bottom w0.2: LED46.4 237.67,70.27 241.38,73.98 247.74,73.98 250.26,71.46 LED50.2
Net-(LED47-DIN): length 17.4
  Bottom w0.2: LED51.2 252.08,52.48 249.44,55.12 241.65,55.12 240.22,53.69 240.22,51.76 239.75,51.29 LED47.4
Net-(LED48-DIN): length 17.5
  Bottom w0.2: LED48.4 241.78,26.86 242.32,27.4 242.32,29.22 244.08,30.98 250.94,30.98 253.87,28.05 LED52.2
Net-(U3-USB_DM): length 88.2
  Bottom w0.2: U3.46 135.25,23.73 158.51,23.73 161.16,26.38 161.16,73.22 157.33,77.05 151.41,77.05 150.35,78.11
Net-(U3-USB_DP): length 85.3
  Bottom w0.2: R3.2 154.56,77.56 154.68,77.45 157.5,77.45 161.56,73.38 161.56,26.21 158.68,23.33 135.42,23.33 U3.47

## Copper pours and planes (outline as drawn; the poured copper is in the pictures)
GND on Top, Bottom: -10.98,115.31 -10.98,-23.08 286.62,-23.08 299.9,-9.8 299.9,122.58 -3.71,122.58

## Text on the board
B.Silkscreen: GND | +3V | SCL | SDA | +1V | CLK | SWD | RUN | +5 | USB- | USB+
